# Altium PCB IceZUM_Core_HX1K.PcbDoc (part 2 of 2)
Units mm, origin at the board's own origin, x right, y up, seen from the top; angles counter-clockwise.
Board outline 68.58 x 53.34 mm, 4 copper layers (Top Layer, GND, Power, Bottom Layer), stack 1.537 mm thick; 179 components, 139 nets, 789 pads, 259 vias.
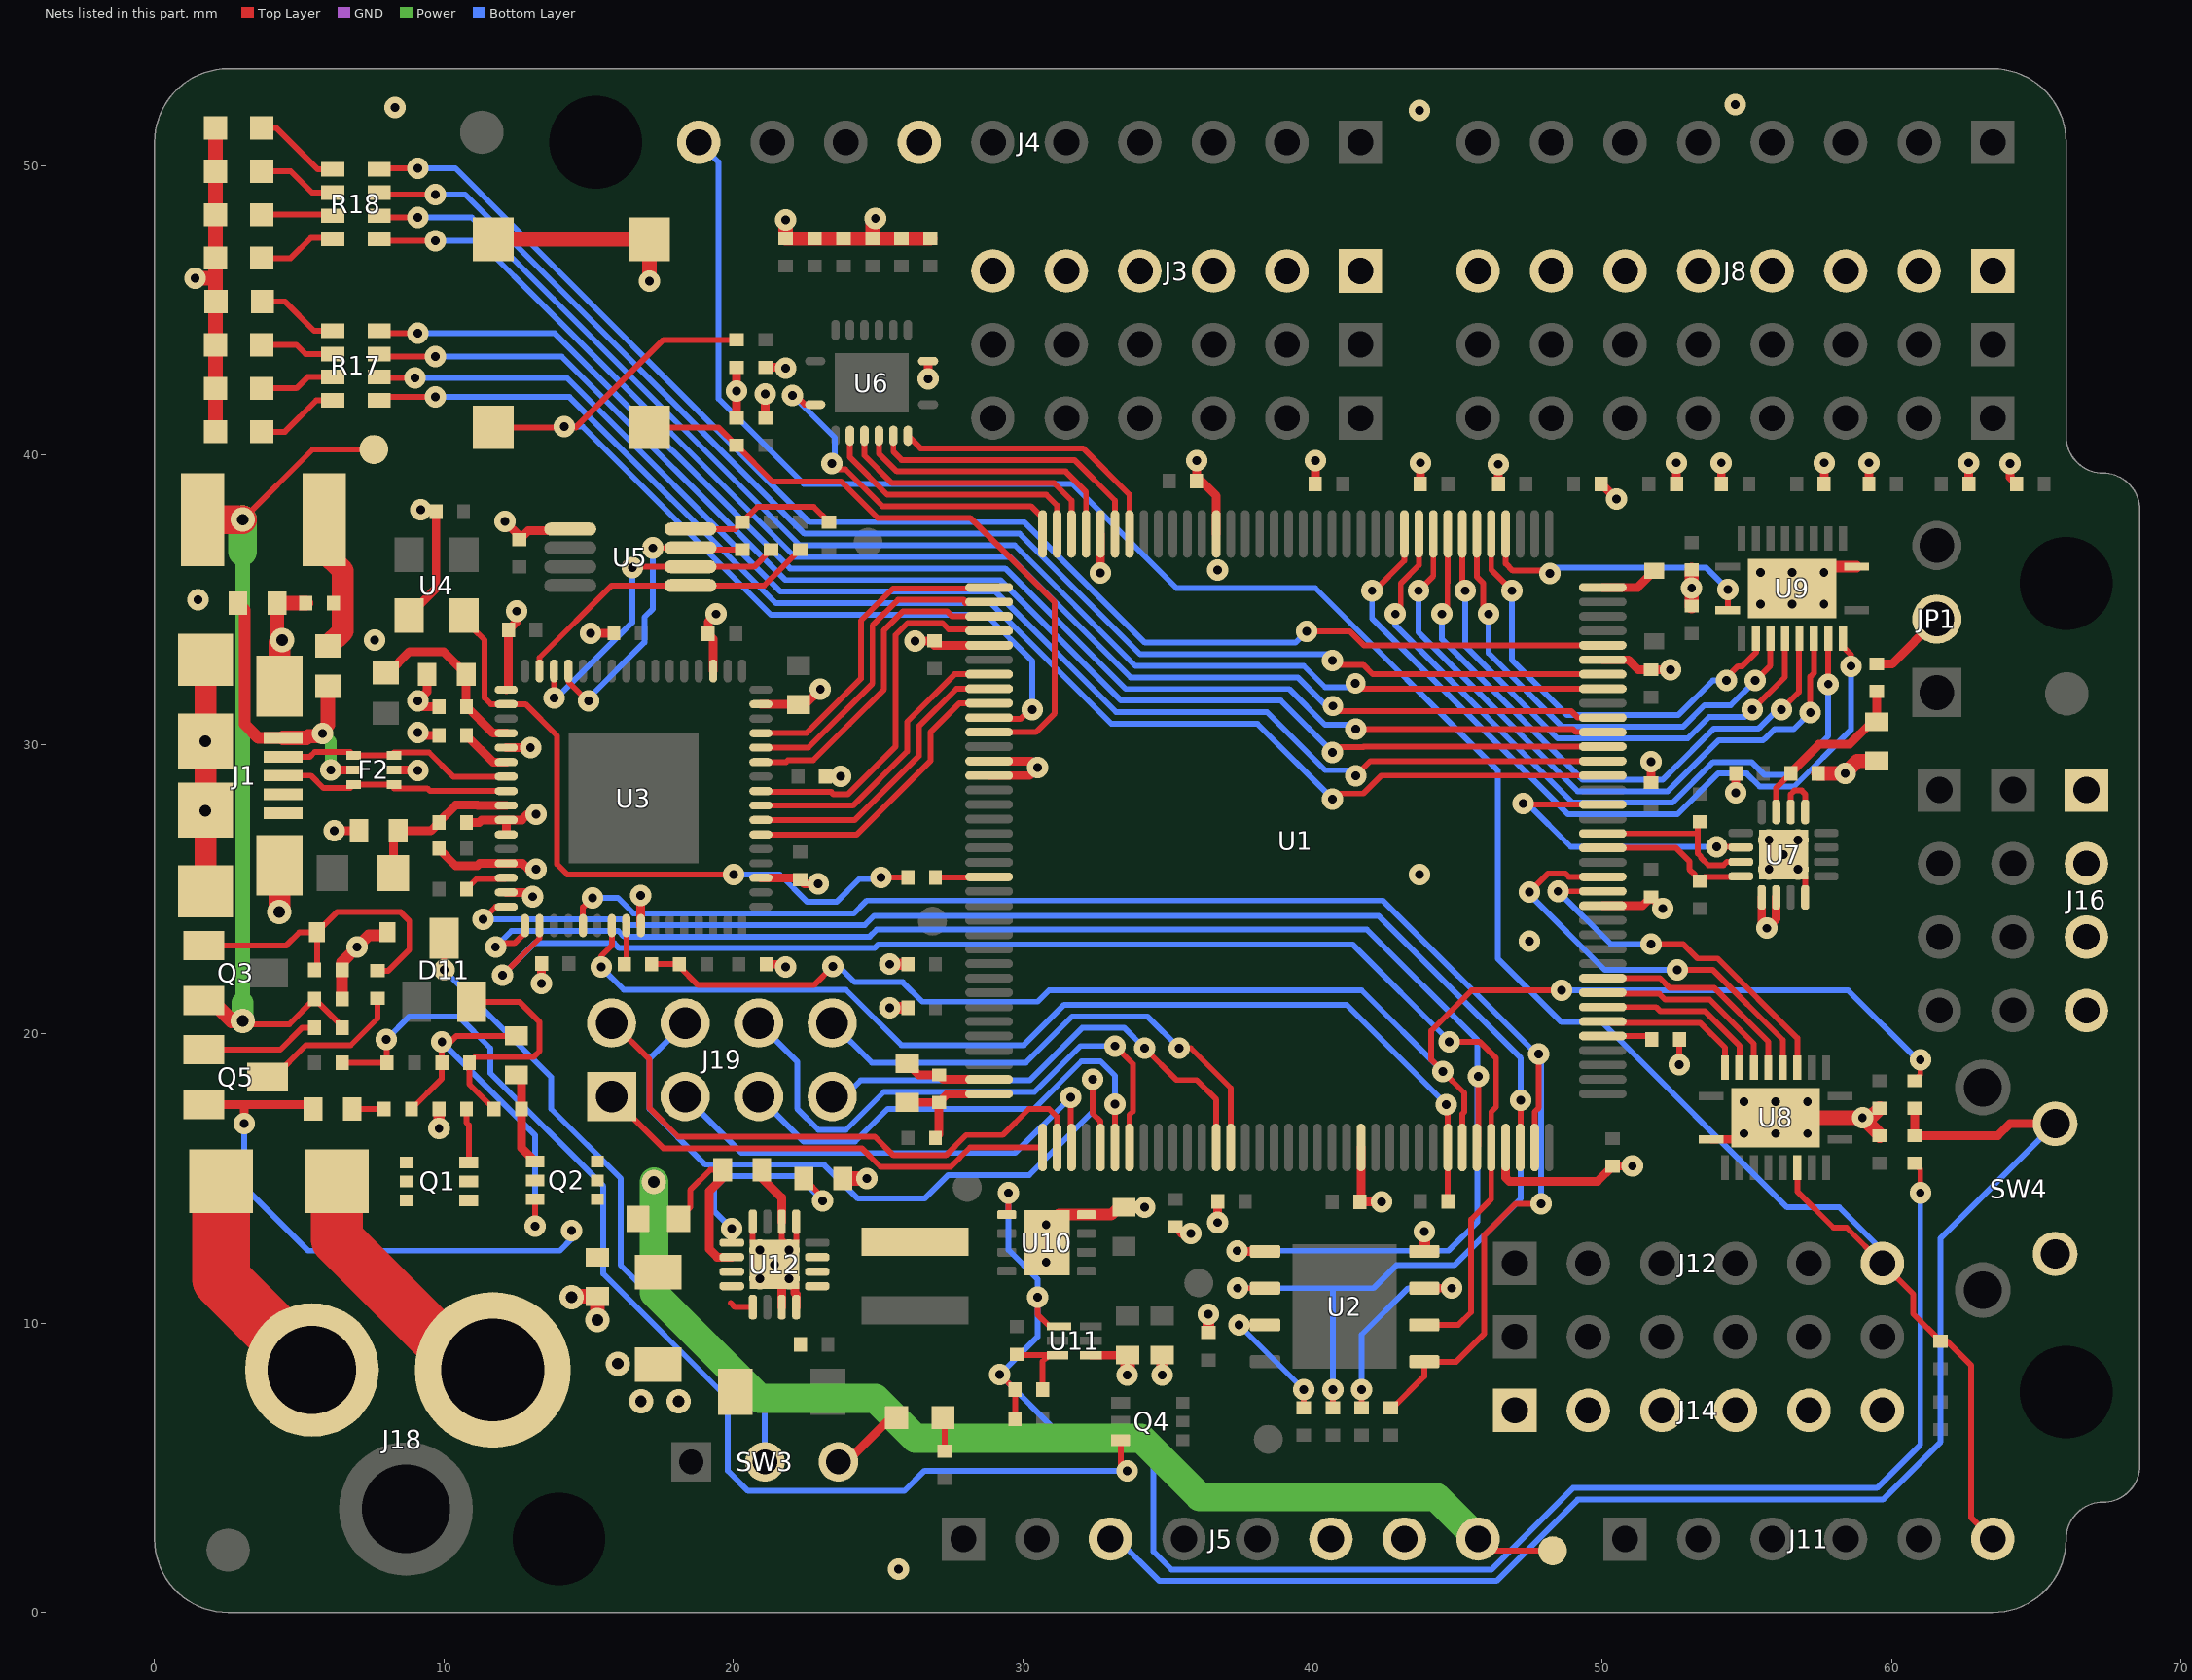
[diagram p4: the nets of this part, all layers, seen from the top]

## Via types
v1: diameter 0.64/0.74/0.74/0.64 (per signal layer), hole 0.3, Top Layer to Bottom Layer, tented both sides, 213 vias
v2: diameter 0.74/0.84/0.84/0.74 (per signal layer), hole 0.4, Top Layer to Bottom Layer, tented both sides, 17 vias
v3: diameter 0.64/0.74/0.74/0.64 (per signal layer), hole 0.3, Top Layer to Bottom Layer, 16 vias
v4: diameter 0.74, hole 0.3, Top Layer to Bottom Layer, 6 vias
v5: diameter 0.64/0.74/0.74/0.64 (per signal layer), hole 0.3, Top Layer to Bottom Layer, tented top, 4 vias
v6: diameter 0.7, hole 0.3, Top Layer to Bottom Layer, tented both sides, 2 vias
v7: diameter 0.8, hole 0.4, Top Layer to Bottom Layer, tented both sides, 1 vias

## Nets (pads, with @x,y where several pads share a name; then routed paths per layer and width w, separated by ;. In a path a pad name is that pad's centre, name@x,y a point inside that pad or via, vN(x,y) a via of type N, cw(c..) or ccw(c..) an arc to the next point about the centre after c; other vN are vias at no path point) (continued)
DD5: J4.10 J11.6 J12.6 R22.1 U8.17 | length 81.8
  Top Layer w0.2: U8.17@56.75,15.375 56.75,14.55 58,13.3 58.455,13.3 J12.6@59.69,12.065 60.755,11 60.755,10.32 R22.1@61.7,9.375 61.925,9.375 62.75,8.55 62.75,3.29 J11.6@63.5,2.54
  Bottom Layer w0.2: J4.10@18.796,50.8 19.48,50.116 19.48,41.943 22.423,39 31.7,39 35.3,35.4 40.1,35.4 46.4,29.1 46.4,22.6 48.6,20.4 50,20.4 56.4,14 58.2,14 59.69,12.51 J12.6@59.69,12.065
FPGA_PWR_EN: R30.2 R32.2 R33.2 U10.5 U11.1 | length 59.5
  Top Layer w0.2: v1(29.2,8.225) R32.2@29.725,7.7 R30.2@29.725,6.7 ; U10.5@29.437,13.747 29.5,13.81 v1(29.5,14.5) ; v1(30.5,10.9) 30.5,10.3 30.912,9.888 U11.1@31.247,9.888 ; R33.2@60.8,15.525 61,15.325 v1(61,14.5)
  Bottom Layer w0.2: v1(29.5,14.5) 29.5,12.523 30.5,11.523 v1(30.5,10.9) 30.5,9.525 v1(29.2,8.225) 31.325,6.1 34,6.1 34.51,5.59 34.51,2.105 35.125,1.49 46.19,1.49 49,4.3 59.5,4.3 61,5.8 v1(61,14.5)
FT_CLK: R13.1 U3.62 U5.2 | length 11.8
  Top Layer w0.2: v1@13.796,31.504 U3.62@13.796,32.535 ; v1(16.5,36.1) 16.535,36.135 U5.2@18.507,36.135 20.71,36.135 R13.1@21.3,36.725
  Bottom Layer w0.2: v1@13.796,31.504 16.5,34.208 v1(16.5,36.1)
  other v1: 13.796,31.604
FT_CS: R12.1 U3.63 U5.1 | length 11
  Top Layer w0.2: U3.63@13.296,32.535 13.296,32.996 15.78,35.48 18.507,35.48 U5.1@18.507,35.485 21.06,35.485 R12.1@22.3,36.725
FT_DATA: R15.1 U3.61 U5.3 | length 11
  Top Layer w0.2: U3.61@14.296,32.535 14.296,32.153 14.949,31.5 v1(15,31.5) ; v1@17.115,36.785 v1(17.215,36.785) U5.3@18.507,36.785 18.567,36.725 R15.1@20.3,36.725
  Bottom Layer w0.2: v1@15,31.3 v1(15,31.5) 15,31.6 16.922,33.522 16.922,34.392 17.215,34.685 v1(17.215,36.785)
GND: C1.1 C2.1 C3.1 C4.1 C5.1 C6.1 C7.1 C8.1 C9.2 C10.1 C13.1 C14.1 C15.1 C16.1 C17.1 C18.1 C19.1 C20.1 C21.1 C22.1 C23.1 C24.1 C25.1 C26.1 C27.1 C28.1 C29.1 C30.1 C31.1 C32.1 C33.1 C34.1 C35.1 C36.2 C37.1 C38.1 C39.1 C40.1 C41.1 C42.1 C43.1 C44.1 C45.1 C46.2 C47.1 C48.2 C49.1 C50.2 C51.1 C52.1 C53.1 C54.1 C55.1 C56.1 C57.1 C58.1 C59.1 C64.1 C65.1 C66.1 C67.1 C68.1 C69.1 C70.1 C71.1 D2.K D3.K D4.K D5.K D6.K D7.K D8.K D9.K D10.A D12.K D13.A F2.2 J1.4 J1.5 J1.S1 J1.S2 J1.S3 J1.S4 J1.S5 J1.S6 J3.1 J3.2 J3.3 J3.4 J3.5 J3.6 J4.7 J5.6 J5.7 J8.1 J8.2 J8.3 J8.4 J8.5 J8.6 J8.7 J8.8 J14.1 J14.2 J14.3 J14.4 J14.5 J14.6 J16.1 J16.2 J16.3 J16.4 J18.3 R4.1 R11.2 R25.2 R29.1 R39.1 SW1.2 SW2.2 SW3.3 SW4.2 U1.5 U1.13 U1.14 U1.59 U1.69 U1.86 U1.103 U1.132 U1.140 U2.4 U3.1 U3.5 U3.10 U3.11 U3.13 U3.15 U3.25 U3.35 U3.47 U3.51 U4.2 U5.5 U6.9 U7.0 U7.5 U7.6 U7.8 U8.0 U8.11 U9.0 U9.11 U10.0 U10.4 U11.4 U12.5 U12.6 U12.8 U12.15 U12.16 | length 159.9
  Top Layer w0.2: U12.8@20.664,13.503 20.664,12.778 v3(20.914,12.528) ; U12.6@21.664,13.503 21.664,12.9 21.975,12.589 22.164,12.778 U12.5@22.164,13.503 ; v1(52.675,18.925) R4.1@52.675,19.8 ; v3(56.272,26.188) v3(56.772,25.688) 57.022,25.438 U7.8@57.022,24.713
  Top Layer w0.3: v1(6.209,27.009) C17.1@7.062,27.009 ; F2.2@8.274,29.113 9.087,29.113 v1(9.1,29.1) ; U4.2@8.788,34.448 9.725,35.385 C32.1@9.725,38.034 9.659,38.1 v1(9.2,38.1) ; v1(9.1,30.4) 9.2,30.3 R11.2@9.825,30.3 ; C24.1@9.412,32.418 9.412,31.812 v1(9.1,31.5) 9.3,31.3 C25.1@9.825,31.3 ; C19.1@9.825,26.4 9.825,26.38 10.405,25.8 11.145,25.8 11.23,25.885 U3.13@12.146,25.885 12.715,25.885 12.915,25.685 v1(13.185,25.685) ; C18.1@10.775,27.3 11.215,27.3 11.3,27.385 U3.10@12.146,27.385 ; v1(12.1,37.7) 12.6,37.2 C33.1@12.6,37.075 12.9,37.375 14.297,37.375 U5.5@14.357,37.435 ; U3.15@12.146,24.885 12.915,24.885 v1(13.065,24.735) ; U3.11@12.146,26.885 U3.10@12.146,27.385 ; U3.5@12.146,29.885 v1(12.985,29.885) ; U3.1@12.146,31.885 12.226,31.965 C21.1@12.226,33.958 12.5,34.232 v1(12.5,34.6) ; v1(13.185,27.585) 12.885,27.585 12.685,27.385 U3.10@12.146,27.385 ; v1(13.366,21.734) C29.1@13.366,22.424 ; v1(15.058,33.842) C26.1@15.866,33.842 ; U3.25@16.796,23.735 v1(16.796,24.779) ; U3.51@19.296,32.535 19.296,33.643 C30.1@19.125,33.814 19.125,34.225 v1(19.4,34.5) ; C35.1@20.1,41.275 v1(20.1,42.2) C34.1@20.1,43.025 ; U3.35@20.946,25.385 22.24,25.385 C20.1@22.3,25.325 22.45,25.175 v1(22.925,25.175) ; U3.47@20.946,31.385 22.23,31.385 C31.1@22.244,31.371 22.471,31.371 v1(23,31.9) ; C70.1@20.975,15.3 20.975,15.025 21.664,14.336 U12.6@21.664,13.503 ; C36.2@21.1,41.275 v1(21.1,42.1) ; C37.1@21.1,43.025 21.775,43.025 v1(21.8,43) ; C28.1@21.134,22.4 21.7,22.4 v1(21.8,22.3) ; U12.15@21.664,10.553 U12.16@21.664,11.528 ; v3(21.914,11.528) 22.114,11.328 22.114,11.05 22.164,11 U12.16@22.164,10.553 ; C27.1@23.175,28.9 v1(23.7,28.9) ; SW3.3@23.622,5.207 23.907,5.207 D12.K@25.436,6.736 ; v1(26.269,33.569) C6.1@26.938,33.569 26.938,33.42 U1.5@28.827,33.42 ; v1(26.722,42.622) U6.9@26.722,43.238 ; U1.14@28.827,28.92 30.22,28.92 v1(30.5,29.2) 30.28,29.42 U1.13@28.827,29.42 ; U11.4@32.347,8.888 C64.1@33.603,8.888 ; v1(32.677,35.923) U1.140@32.677,37.27 ; C3.1@35.262,13.323 35.485,13.1 v1(35.8,13.1) ; v1(35.995,39.795) C2.1@35.995,39.1 36.153,39.1 36.677,38.576 U1.132@36.677,37.27 ; v1(36.725,13.475) C13.1@36.725,14.2 ; C1.1@40.095,39 v1(40.095,39.795) ; U1.59@41.677,16.07 41.677,14.23 C4.1@41.634,14.187 v1(42.387,14.187) ; C58.1@43.725,39 v1(43.725,39.725) ; C15.1@46.425,39 v1(46.425,39.675) ; U1.69@46.677,16.07 46.677,15.023 46.805,14.895 49.845,14.895 C10.1@50.375,15.425 v1(51.05,15.425) ; C53.1@49.975,39 v1(50.5,38.475) ; U1.86@50.027,24.42 51.395,24.42 C7.1@51.7,24.725 v1(52.1,24.325) ; U1.103@50.027,32.92 50.909,32.92 51.254,32.575 C8.1@51.7,32.575 v1(52.375,32.575) ; C16.1@51.7,28.675 v1(51.7,29.4) ; C57.1@52.575,39 v1(52.575,39.725) ; U8.11@53.775,16.35 55.25,16.35 U8.0@56,17.1 ; C52.1@54.125,39 v1(54.125,39.725) ; v1(54.625,28.325) C45.1@54.625,29 ; U7.5@55.522,24.713 55.522,23.822 v1(55.7,23.644) 56.022,23.965 U7.6@56.022,24.713 ; C56.1@57.675,39 v1(57.675,39.725) ; C51.1@59.225,39 v1(59.225,39.725) ; C55.1@62.675,39 v1(62.675,39.725) ; v1(64.1,39.7) 64.1,39.225 C54.1@64.325,39
  Top Layer w0.4: R39.1@6.475,21.2 R29.1@6.475,22.2 6.475,22.475 v1(7,23) 7.4,23.4 7.835,23.4 D13.A@8.047,23.612 ; v1(9.825,16.725) R25.2@9.825,17.4 ; v1(25.4,20.9) C5.1@26.025,20.9 ; v1(25.4,22.4) C14.1@26.025,22.4 ; U10.0@31.1,13.6 31.247,13.747 U10.4@32.187,13.747 33.047,13.747 C59.1@33.4,14.1 ; C59.1@33.444,14.047 C59.1@33.488,14.003 v1(34.197,14.003) ; C64.1@33.603,8.888 C64.1@33.612,8.897 ; v1(34.812,8.2) C65.1@34.812,8.897 ; C9.2@36.4,9.675 v1(36.4,10.3) ; U2.4@43.862,12.477 v1(43.862,13.162) ; U9.0@56.572,35.388 57.322,36.138 U9.11@58.797,36.138
  Top Layer w0.5: v1(1.4,46.1) 2.1,46.1 ; D2.K@2.1,40.8 D3.K@2.1,42.3 D4.K@2.1,43.8 2.1,46.1 ; D9.K@2.1,51.3 D8.K@2.1,49.8 D7.K@2.1,48.3 D6.K@2.1,46.8 2.1,46.1 ; v2(4.4,33.6) 4.224,33.776 C22.1@4.224,34.881 C23.1@5.226,34.881 ; SW1.2@11.7,47.45 SW2.2@17.1,47.45 v1(17.1,46) ; v2(14.4,10.9) 14.425,10.925 C66.1@15.3,10.925 v2(15.3,10.1) ; v1(21.8,48.125) C44.1@21.8,47.475 C39.1@22.8,47.475 C43.1@23.8,47.475 C42.1@25.8,47.475 C40.1@26.8,47.475 ; C71.1@23.775,15 v1(24.6,15) ; C38.1@24.8,47.475 24.8,48.075 v1(24.9,48.175) ; v1(33.6,8.2) 33.612,8.212 C64.1@33.612,8.897 ; C49.1@53.1,34.775 C50.2@53.1,36.025 ; U8.0@56,17.1 v1(59,17.1) ; U9.0@56.559,35.375 U9.0@56.572,35.388 ; C46.2@57.475,29 v1(58.4,29) 58.825,29.425 C41.1@59.5,29.425 ; C48.2@59.6,16.475 59.6,16.5 v1(59,17.1) ; C47.1@59.6,17.425 59.275,17.1 v1(59,17.1)
  Top Layer w0.75: J1.S4@1.763,24.919 J1.S3@1.763,27.719 J1.S2@1.763,30.119 J1.S1@1.763,32.919 ; v2(4.3,24.2) 4.313,24.213 J1.S6@4.313,25.819 ; J1.S5@4.313,32.019 4.313,33.513 v2(4.4,33.6)
  Top Layer w2: D10.A@2.298,14.906 2.298,11.518 J18.3@5.434,8.382
  GND w0.3: v1(21.8,22.3) v1@21.9,22.2
  other v1: 25.7,1.5 30.8,12.1 30.8,13.4 47.5,23.2 43.7,25.5 7.6,33.6 1.5,35 53.1,35.4 36.725,36.025 43.7,51.9 8.3,52 54.6,52.1
  other v2: 16.8,7.3 18.1,7.3 16,8.6 1.75,27.707 1.75,30.107
  other v3: 20.914,11.528 21.414,12.028 21.914,12.528 55.772,25.688 55.772,26.688 56.772,26.688 55.472,34.838 56.572,34.838 57.672,34.838 55.472,35.938 56.572,35.938 57.672,35.938
  other v4: 54.9,16.55 56,16.55 57.1,16.55 54.9,17.65 56,17.65 57.1,17.65
GPIO_L0: R6.1 U1.71 U2.1 U3.21 | length 55.3
  Top Layer w0.2: U3.21@14.796,23.735 14.796,24.371 v1(15.125,24.7) ; R6.1@42.7,7.075 42.775,7.075 43.862,8.162 U2.1@43.862,8.667 44.967,8.667 45.94,9.64 45.94,13.04 47.025,14.125 v1(47.9,14.125) ; U1.71@47.677,16.07 47.677,17.3 47.82,17.443 v1(47.82,19.3)
  Bottom Layer w0.2: v1(15.125,24.7) 16,24.7 16,24.698 16.539,24.159 22.375,24.159 22.379,24.155 24.155,24.155 24.6,24.6 42.434,24.6 47.697,19.338 v1@47.813,19.338 ; v1(47.82,19.3) 47.9,19.22 v1(47.9,14.125)
GPIO_L2: R1.2 U1.65 U3.23 | length 37.3
  Top Layer w0.2: v1(15.425,22.3) 15.425,22.675 15.796,23.046 U3.23@15.796,23.735 ; v1(44.625,17.55) 44.677,17.498 U1.65@44.677,16.07 R1.2@44.675,14.2 R1.2@44.675,14.2
  Bottom Layer w0.2: v1(15.425,22.3) 16.207,21.518 23.884,21.518 25.797,19.605 30.03,19.605 31.425,21 41.175,21 v1(44.625,17.55)
GPIO_L3: R2.1 U3.24 | length 1.4
  Top Layer w0.2: R2.1@16.225,22.4 16.296,22.471 U3.24@16.296,23.735
NetC11_1: C11.1 C12.1 U1.35 | length 3.1
  Top Layer w0.3: C11.1@26,18.975 26.4,18.575 C12.1@27.1,18.575 27.255,18.42 U1.35@28.827,18.42
NetC11_2: C11.2 C12.2 R9.1 U1.36 | length 4.2
  Top Layer w0.3: C11.2@26,17.625 C12.2@27.1,17.625 ; R9.1@26.975,16.4 27.1,16.525 C12.2@27.1,17.625 ; U1.36@28.827,17.92 27.395,17.92 C12.2@27.1,17.625
NetC17_2: C17.2 C18.2 L1.2 U3.9 | length 5.6
  Top Layer w0.3: L1.2@8.247,25.555 8.247,26.844 C17.2@8.412,27.009 9.534,27.009 C18.2@9.825,27.3 9.825,27.32 10.405,27.9 11.145,27.9 11.16,27.885 U3.9@12.146,27.885
NetC22_2: C22.2 F2.5 J1.1 L2.1 | length 11
  Top Layer w0.3: v1(6.087,29.113) F2.5@6.874,29.113
  Top Layer w0.4: C22.2@2.874,34.881 3.113,34.642 3.113,30.688 3.581,30.219 J1.1@4.437,30.219
  Top Layer w0.5: J1.1@4.437,30.219 5.241,30.219 5.305,30.283 5.602,30.283 5.991,30.672 L2.1@5.991,31.999
  Power w0.4: v1(5.8,30.374) 6.087,30.087 v1(6.087,29.113)
NetC23_2: C23.2 F1.1 L2.2 | length 4.8
  Top Layer w0.75: F1.1@5.853,37.761 5.853,36.647 6.5,36 6.5,33.908 L2.2@5.991,33.399
NetC24_2: C24.2 C25.2 L3.2 U3.4 | length 6.2
  Top Layer w0.3: L3.2@7.928,32.472 L3.2@7.982,32.472 ; L3.2@8.072,32.472 8.8,33.2 9.98,33.2 C24.2@10.762,32.418 10.762,31.313 C25.2@10.775,31.3 11.69,30.385 U3.4@12.146,30.385
NetC34_2: C34.2 SW1.1 U1.10 | length 31.8
  Top Layer w0.2: SW1.1@12.4,40.95 14.55,40.95 17.575,43.975 C34.2@20.1,43.975 ; U1.10@28.827,30.92 28.872,30.875 29.905,30.875 30.23,31.2 v1(30.325,31.2)
  Bottom Layer w0.2: v1(14.15,40.975) 14.791,40.975 21.291,34.475 28.723,34.475 30.325,32.873 v1(30.325,31.2)
NetC35_2: C35.2 SW2.1 U1.11 | length 22.9
  Top Layer w0.2: SW2.1@17.1,40.95 19.475,40.95 C35.2@20.1,40.325 21.345,39.08 23.723,39.08 24.978,37.825 28.175,37.825 31.1,34.9 31.1,31.075 30.445,30.42 U1.11@28.827,30.42
NetC41_2: C41.2 C46.1 R19.2 U7.15 | length 6.3
  Top Layer w0.2: U7.15@56.022,27.663 56.022,28.497 C46.1@56.525,29
  Top Layer w0.3: C46.1@56.525,29 56.525,29.025 57.5,30 58.551,30 59.326,30.775 C41.2@59.5,30.775 R19.2@59.5,31.825
NetC60_1: C60.1 R24.2 | length 1.1
  Top Layer w0.2: C60.1@6.825,17.4 R24.2@7.925,17.4
NetC62_1: C62.1 Q2.3 R24.1 R27.1 | length 14.1
  Top Layer w0.2: R24.1@8.875,17.4 9.925,18.45 R27.1@9.925,19 v1(9.925,19.725) 10.225,19.725 10.425,19.925 C62.1@12.5,19.925 ; v1(13.147,13.347) Q2.3@13.147,14.282
  Bottom Layer w0.2: v1(9.925,19.725) 9.925,19.709 13.147,16.487 v1(13.147,13.347) v1@13.1,13.3
NetC62_2: C62.2 Q1.1 Q1.2 Q2.1 Q2.2 R26.1 | length 3.3
  Top Layer w0.3: C62.2@12.5,18.575 12.675,18.4 R26.1@12.675,17.4 12.675,16.054 Q2.1@13.147,15.582
NetC67_2: C67.2 C70.2 L4.2 U12.10 U12.11 U12.12 U12.13 | length 7.2
  Top Layer w0.2: L4.2@18.1,13.6 18.5,14 18.5,14.6 19.2,15.3 C70.2@19.625,15.3 ; 19.9,10.7 20.047,10.553 U12.13@20.664,10.553
  Top Layer w0.3: C70.2@19.625,15.3 19.625,15.025 19.164,14.564 19.164,12.55 19.436,12.278 U12.10@19.939,12.278
NetC71_2: C71.2 U12.9 | length 7.7
  Top Layer w0.2: U12.9@19.939,12.778 v1(19.939,13.261) v1@19.939,13.461 ; C71.2@22.425,15 23.075,14.35 v1(23.075,14.225)
  Bottom Layer w0.2: v1(19.939,13.261) 19.325,13.875 19.325,14.65 19.753,15.078 22.222,15.078 v1(23.075,14.225)
NetD1_k: D1.K U1.108 | length 2
  Top Layer w0.3: U1.108@50.027,35.42 51.241,35.42 D1.K@51.812,35.991
NetD2_A: D2.A R17.8 | length 2.9
  Top Layer w0.2: D2.A@3.7,40.8 4.5,40.8 5.586,41.886 R17.8@6.156,41.886
NetD3_A: D3.A R17.7 | length 2.6
  Top Layer w0.2: D3.A@3.7,42.3 4.9,42.3 5.286,42.686 R17.7@6.156,42.686
NetD4_A: D4.A R17.6 | length 2.6
  Top Layer w0.2: D4.A@3.7,43.8 4.9,43.8 5.214,43.486 R17.6@6.156,43.486
NetD5_A: D5.A R17.5 | length 2.9
  Top Layer w0.2: D5.A@3.723,45.3 4.5,45.3 5.514,44.286 R17.5@6.156,44.286
NetD6_A: D6.A R18.8 | length 2.8
  Top Layer w0.2: D6.A@3.7,46.8 4.7,46.8 5.4,47.5 6.118,47.5 R18.8@6.156,47.462
NetD7_A: D7.A R18.7 | length 2.5
  Top Layer w0.2: D7.A@3.7,48.3 6.118,48.3 R18.7@6.156,48.262
NetD8_A: D8.A R18.6 | length 2.8
  Top Layer w0.2: D8.A@3.7,49.8 4.7,49.8 5.438,49.062 R18.6@6.156,49.062
NetD9_A: D9.A R18.5 | length 3.1
  Top Layer w0.2: D9.A@3.7,51.3 4.2,51.3 5.638,49.862 R18.5@6.156,49.862
NetD10_K: D10.K J18.1 Q1.4 Q1.5 Q1.6 | length 9.3
  Top Layer w1.8: D10.K@6.298,14.906 6.298,12.902 10.818,8.382 J18.1@11.684,8.382
NetD11_2: D11.2 R26.2 R27.2 | length 8.2
  Top Layer w0.2: D11.2@10.95,21.1 12.6,21.1 13.3,20.4 13.3,19.4 13.1,19.2 11.075,19.2 R27.2@10.875,19 10.875,18.25 R26.2@11.725,17.4
NetD11_3: D11.3 SW3.2 | length 22.7
  Top Layer w0.2: v1(10,22.2) D11.3@10,23.3
  Bottom Layer w0.2: v1(10,22.2) 13.7,18.5 13.7,17.4 16.1,15 16.1,12 21.082,7.018 SW3.2@21.082,5.207
NetD12_A: D12.A R34.1 | length 1.2
  Top Layer w0.2: D12.A@27.234,6.736 27.3,6.67 R34.1@27.3,5.575
NetD13_k: D13.K Q3.1 R28.2 R29.2 | length 11.5
  Top Layer w0.2: Q3.1@1.7,23.05 4.55,23.05 5,23.5 5.4,23.5 5.412,23.512 D13.K@5.609,23.512 ; R29.2@5.525,22.2 5.609,22.284 D13.K@5.609,23.512 ; R28.2@7.7,22.218 R28.2@7.7,22.175 8.075,22.175 8.8,22.9 8.8,23.9 8.5,24.2 6.297,24.2 D13.K@5.609,23.512
NetJ5_3: J5.3 R33.1 R35.1 SW4.1 | length 49.9
  Top Layer w0.3: R35.1@60.8,17.425 R33.1@60.8,16.475 63.675,16.475 64.091,16.891 SW4.1@65.659,16.891
  Bottom Layer w0.2: J5.3@33.02,2.54 33.26,2.54 34.71,1.09 46.356,1.09 49.166,3.9 59.7,3.9 61.7,5.9 61.7,12.932 SW4.1@65.659,16.891
NetJ19_1: J19.1 U1.37 | length 16.8
  Top Layer w0.2: J19.1@15.788,17.828 17.573,16.043 24.434,16.043 25.077,15.4 27.5,15.4 28.17,16.07 U1.37@30.677,16.07 U1.37@30.677,15.4
NetJ19_2: J19.2 U1.38 | length 20.1
  Top Layer w0.2: J19.2@15.788,20.368 15.832,20.368 17.1,19.1 17.1,17.43 18.087,16.443 24.88,16.443 25.523,15.8 27.334,15.8 28.034,16.5 29.3,16.5 30.2,17.4 30.9,17.4 31.177,17.123 U1.38@31.177,16.07
NetJ19_3: J19.3 U1.39 | length 16.7
  Top Layer w0.2: v1(31.65,17.8) 31.65,16.097 U1.39@31.677,16.07
  Bottom Layer w0.2: J19.3@18.328,17.828 20.278,15.878 22.59,15.878 29.728,15.878 v1(31.65,17.8)
NetJ19_4: J19.4 U1.41 | length 24.9
  Top Layer w0.2: v1(32.4,18.425) 32.4,17.25 32.677,16.973 U1.41@32.677,16.07 U1.41@32.7,16.093
  Bottom Layer w0.2: J19.4@18.328,20.368 17.1,19.14 17.1,17.4 19.022,15.478 23.122,15.478 24.3,14.3 26.6,14.3 27.42,15.12 30.22,15.12 32.4,17.3 v1(32.4,18.425)
NetJ19_5: J19.5 U1.42 | length 16.8
  Top Layer w0.2: U1.42@33.177,16.07 v1(33.177,17.573)
  Bottom Layer w0.2: J19.5@20.868,17.828 22.418,16.278 24.201,16.278 25.323,17.4 30.373,17.4 32.018,19.045 32.68,19.045 33.177,18.548 v1(33.177,17.573)
NetJ19_6: J19.6 U1.43 | length 19.8
  Top Layer w0.2: v1(33.175,19.575) 33.797,18.953 33.797,17.316 33.677,17.196 U1.43@33.677,16.07
  Bottom Layer w0.2: J19.6@20.868,20.368 22.2,19.036 22.2,17.41 22.932,16.678 23.884,16.678 25.194,17.988 30.396,17.988 31.983,19.575 v1(33.175,19.575)
NetJ19_7: J19.7 U1.49 | length 16.9
  Top Layer w0.2: v1(34.2,19.5) 35.3,18.4 36,18.4 36.677,17.723 U1.49@36.677,16.07
  Bottom Layer w0.2: J19.7@23.408,17.828 23.828,17.828 24.388,18.388 30.23,18.388 32.042,20.2 33.5,20.2 v1(34.2,19.5)
NetJ19_8: J19.8 U1.50 | length 18.1
  Top Layer w0.2: v1(35.4,19.5) 35.8,19.5 37.177,18.123 U1.50@37.177,16.07